# Altium PCB PCB2.PcbDoc (part 1 of 2) (continued)
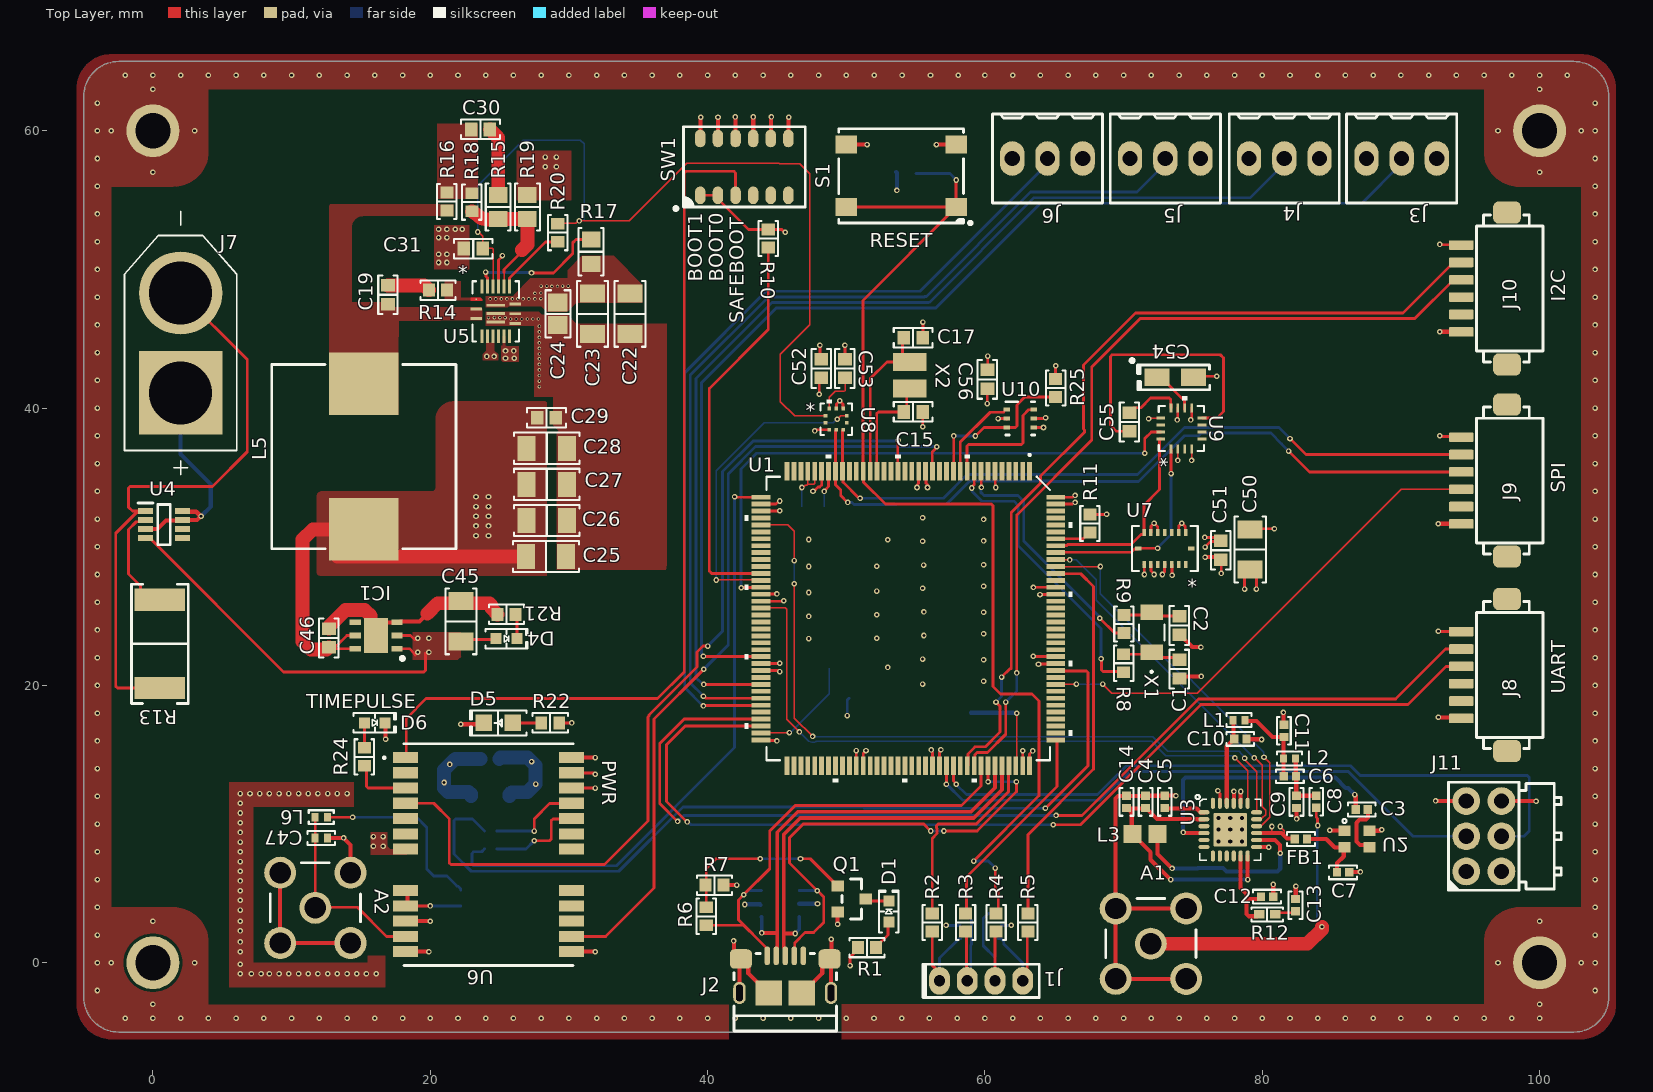
[diagram p0: Top Layer view]
## Part data (continued)
C55: library part CL05A224KP5NNNC, "CAP CER 0.22UF 10V X5R 0402", Capacitance="0.22 µF", Device Package="0402 (1005 Metric)", manufacturer="Samsung Electro-Mechanics", Operating Temperature="-55°C ~ 85°C", Supplier Part Number 1=1276-1049-1-ND, Temperature Coefficient=X5R, Tolerance=±10%, Voltage - Rated=10V, Applications="General Purpose", componentlink1description=Datasheet, componentlink1url=http://www.samsungsem.com/kr/support/product-search/mlcc/CL05A224KP5NNNC.jsp, componentlink2description="DigiKey Link", componentlink2url=https://www.digikey.com/en/products/detail/samsung-electro-mechanics/CL05A224KP5NNNC/3886707, lastupdated="28.02.2023 20:04:39", Lifecycle Status=Active, Minimum Order=1, Mounting Type="Surface Mount, MLCC", Package / Case="0402 (1005 Metric)", packaging=TapeAndReel, Part Number=CL05A224KP5NNNC, Part Status=Active, partid=3132, price=0.01, series=CL, Size / Dimension="0.039\" L x 0.020\" W (1.00mm x 0.50mm)", Supplier 1=DigiKey, Thickness (Max)="0.022\" (0.55mm)"
D1: library part HSMG-C197, "LED GREEN DIFFUSED CHIP SMD", Current - Test=20mA, Device Package="0603 (1608 Metric)", Lens Color=White, manufacturer="Broadcom Limited", Millicandela Rating=15mcd, Supplier Device Package="Chip LED", Supplier Part Number 1=516-2830-1-ND, Voltage - Forward (Vf) (Typ)=2.2V, Color=Green, componentlink1description=Datasheet, componentlink1url=https://docs.broadcom.com/docs/AV02-0551EN, componentlink2description="DigiKey Link", componentlink2url=https://www.digikey.com/en/products/detail/broadcom-limited/HSMG-C197/1235343, Configuration=Standard, Height (Max)=0.40mm, lastupdated="20.06.2022 12:31:27", Lens Size="1.60mm x 0.80mm", Lens Style="Rectangle with Flat Top", Lens Transparency=Diffused, Lifecycle Status=Active, Minimum Order=1, Mounting Type="Surface Mount", Package / Case="0603 (1608 Metric)", packaging=TapeAndReel, Part Number=HSMG-C197, Part Status=Active, partid=585, price=0.07, series=-, Size / Dimension="1.60mm L x 0.80mm W", Supplier 1=DigiKey, Viewing Angle=130°, Wavelength - Dominant=572nm, Wavelength - Peak=570nm
D2 D3: "4-line ESD protection", Manuf_1=STM, Manuf_Part_1=ESDA5V3L, Distrib=ST, ECCN_US/EU=EAR99/NEC, Order=ESDA5V3L, Ordered by=STM, Provided=ST, Ref St=9179034
D4: library part LTST-C190KGKT, "LED GREEN CLEAR CHIP SMD", Current - Test=20mA, Device Package="0603 (1608 Metric)", Lens Color=Colorless, manufacturer="Lite-On Inc.", Millicandela Rating=35mcd, Supplier Device Package="Chip LED", Supplier Part Number 1=160-1435-1-ND, Voltage - Forward (Vf) (Typ)=2V, Color=Green, componentlink1description=Datasheet, componentlink1url=http://optoelectronics.liteon.com/upload/download/DS22-2000-074/LTST-C190KGKT.PDF, componentlink2description="DigiKey Link", componentlink2url=http://digikey.com/product-detail/en/lite-on-inc/LTST-C190KGKT/160-1435-1-ND/386814, Configuration=Standard, Height (Max)=0.90mm, lastupdated="3.03.2023 20:56:01", Lens Size="1.10mm x 0.80mm", Lens Style="Rectangle with Flat Top", Lens Transparency=Clear, Lifecycle Status=Active, Minimum Order=1, Mounting Type="Surface Mount", Package / Case="0603 (1608 Metric)", packaging=TapeAndReel, Part Number=LTST-C190KGKT, Part Status=Active, partid=657, price=0.04, series=-, Size / Dimension="1.60mm L x 0.80mm W", Supplier 1=DigiKey, Viewing Angle=130°, Wavelength - Dominant=571nm, Wavelength - Peak=574nm
D5: library part LTST-C170KRKT, "LED RED CLEAR SMD", Current - Test=20mA, Device Package="0805 (2012 Metric)", Lens Color=Colorless, manufacturer="Lite-On Inc.", Millicandela Rating=54mcd, Supplier Part Number 1=160-1415-1-ND, Voltage - Forward (Vf) (Typ)=2V, Color=Red, componentlink1description=Datasheet, componentlink1url=http://optoelectronics.liteon.com/upload/download/DS-22-99-0150/LTST-C170KRKT.pdf, componentlink2description="DigiKey Link", componentlink2url=http://digikey.com/product-detail/en/lite-on-inc/LTST-C170KRKT/160-1415-1-ND/386778, Configuration=Standard, Height (Max)=1.10mm, lastupdated="7.03.2023 20:55:45", Lens Size="1.40mm x 1.25mm", Lens Style="Rectangle with Flat Top", Lens Transparency=Clear, Lifecycle Status=Active, Minimum Order=1, Mounting Type="Surface Mount", Package / Case="0805 (2012 Metric)", packaging=TapeAndReel, Part Number=LTST-C170KRKT, Part Status=Active, partid=350, price=0.06, series=-, Size / Dimension="2.00mm L x 1.25mm W", Supplier 1=DigiKey, Viewing Angle=130°, Wavelength - Dominant=631nm, Wavelength - Peak=639nm
D6: library part LTST-C190TBKT, "LED BLUE CLEAR CHIP SMD", Current - Test=20mA, Device Package="0603 (1608 Metric)", Lens Color=Colorless, manufacturer="Lite-On Inc.", Millicandela Rating=104mcd, Supplier Device Package="Chip LED", Supplier Part Number 1=160-1646-1-ND, Voltage - Forward (Vf) (Typ)=3.3V, Color=Blue, componentlink1description=Datasheet, componentlink1url=http://optoelectronics.liteon.com/upload/download/DS-22-99-0224/LTST-C190TBKT.PDF, componentlink2description="DigiKey Link", componentlink2url=http://digikey.com/product-detail/en/lite-on-inc/LTST-C190TBKT/160-1646-1-ND/573586, Configuration=Standard, Height (Max)=0.90mm, lastupdated="5.03.2023 20:55:19", Lens Size="1.10mm x 0.80mm", Lens Style="Rectangle with Flat Top", Lens Transparency=Clear, Lifecycle Status=Active, Minimum Order=1, Mounting Type="Surface Mount", Package / Case="0603 (1608 Metric)", packaging=TapeAndReel, Part Number=LTST-C190TBKT, Part Status=Active, partid=831, price=0.08, series=-, Size / Dimension="1.60mm L x 0.80mm W", Supplier 1=DigiKey, Viewing Angle=130°, Wavelength - Dominant=470nm, Wavelength - Peak=468nm
FB1: library part MMZ1005Y400CT000, "FERRITE BEAD 40 OHM 0402 1LN", Current Rating (Max)=550mA, DC Resistance (DCR) (Max)=100mOhm, Device Package="0402 (1005 Metric)", manufacturer="TDK Corporation", Operating Temperature="-55°C ~ 125°C", Supplier Part Number 1=445-2150-1-ND, componentlink1description=Datasheet, componentlink1url=https://product.tdk.com/info/en/catalog/datasheets/beads_commercial_signal_mmz1005_en.pdf?ref_disty=digikey, componentlink2description="DigiKey Link", componentlink2url=https://www.digikey.com/en/products/detail/tdk-corporation/MMZ1005Y400CT000/604108, Filter Type="Signal Line", Height (Max)="0.022\" (0.55mm)", lastupdated="25.02.2023 20:48:26", Lifecycle Status=Active, Minimum Order=1, Mounting Type="Surface Mount", Number of Lines=1, Package / Case="0402 (1005 Metric)", packaging=TapeAndReel, Part Number=MMZ1005Y400CT000, Part Status=Active, partid=480, price=0.02, series=MMZ, Size / Dimension="0.039\" L x 0.020\" W (1.00mm x 0.50mm)", Supplier 1=DigiKey, Impedance @ Frequency="40 Ohms @ 100 MHz"
FB2 FB3: library part BLM15AX102SN1D, "FERRITE BEAD 1K OHM 0402 1LN", Current Rating (Max)=350mA, DC Resistance (DCR) (Max)=490mOhm, Device Package="0402 (1005 Metric)", manufacturer="Murata Electronics", Operating Temperature="-55°C ~ 125°C", Supplier Part Number 1=490-5442-1-ND, componentlink1description=Datasheet, componentlink1url=https://www.murata.com/en-us/products/productdata/8796740059166/ENFA0018.pdf, componentlink2description="DigiKey Link", componentlink2url=https://www.digikey.com/en/products/detail/murata-electronics/BLM15AX102SN1D/2256877, Height (Max)="0.022\" (0.55mm)", lastupdated="7.03.2023 20:49:02", Lifecycle Status=Active, Minimum Order=1, Mounting Type="Surface Mount", Number of Lines=1, Package / Case="0402 (1005 Metric)", packaging=TapeAndReel, Part Number=BLM15AX102SN1D, Part Status=Active, partid=398, price=0.01, series="EMIFIL®, BLM15", Size / Dimension="0.039\" L x 0.022\" W (1.00mm x 0.55mm)", Supplier 1=DigiKey, Impedance @ Frequency="1 kOhms @ 100 MHz"
IC1: "Integrated Circuit", Manufacturer_Name=STMicroelectronics, Mouser Part Number=511-LD39200PU33R, Arrow Part Number=LD39200PU33R, Arrow Price/Stock=https://www.arrow.com/en/products/ld39200pu33r/stmicroelectronics?region=nac, Datasheet Link=https://www.st.com/resource/en/datasheet/ld39200.pdf, Height=1mm, Manufacturer_Part_Number=LD39200PU33R, Mouser Price/Stock=https://www.mouser.co.uk/ProductDetail/STMicroelectronics/LD39200PU33R?qs=WHlX%252B%252B9%2FRwAl6%2FJDqRS1uw%3D%3D
J1: "CONN HDR 4POS 0.079 GOLD PCB", Current Rating (Amps)=2A, manufacturer="Sullins Connector Solutions", Material Flammability Rating="UL94 V-0", Operating Temperature="-40°C ~ 105°C", Supplier Part Number 1=S5751-04-ND, Insulation Color=Black, componentlink1description=Datasheet, componentlink1url=https://drawings-pdf.s3.amazonaws.com/10483.pdf, componentlink2description="DigiKey Link", componentlink2url=https://www.digikey.com/en/products/detail/sullins-connector-solutions/NPPN041BFCN-RC/804806, Connector Type=Header, Contact Finish - Mating=Gold, Contact Finish - Post=Gold, Contact Finish Thickness - Mating=Flash, Contact Length - Post="0.094\" (2.40mm)", Contact Type="Female Socket", Fastening Type=Push-Pull, lastupdated="21.06.2022 14:42:51", Lifecycle Status=Active, Minimum Order=1, Mounting Type="Through Hole", Number of Positions=4, Number of Positions Loaded=All, Number of Rows=1, packaging=Tube, Part Number=NPPN041BFCN-RC, Part Status=Active, Pitch - Mating="0.079\" (2.00mm)", price=0.30, series=-, Style="Board to Board", Supplier 1=DigiKey, Termination=Solder, Insulation Height="0.173\" (4.40mm)"
J2: "CONN RCPT USB2.0 MICRO B SMD R/A", Current Rating (Amps)="1.8A per Contact", manufacturer="Amphenol ICC (FCI)", Operating Temperature="-30°C ~ 80°C", Supplier Part Number 1=609-4616-2-ND, Voltage - Rated=100VAC, componentlink1description=Datasheet, componentlink1url=https://cdn.amphenol-icc.com/media/wysiwyg/files/documentation/datasheet/inputoutput/io_usb_micro.pdf, componentlink2description="DigiKey Link", componentlink2url=//digikey.com/product-detail/en/amphenol-icc-fci/10118193-0001LF/609-4616-2-ND/2785388, Connector Type="USB - micro B", Features="Solder Retention", Gender=Receptacle, lastupdated="9.12.2019 20:51:28", Lifecycle Status=0, Mating Cycles=10000, Minimum Order=1, Mounting Feature=Horizontal, Mounting Type="Surface Mount, Right Angle; Through Hole", Number of Contacts=5, Number of Ports=1, packaging=TapeAndReel, Part Number=10118193-0001LF, Part Status=Active, price=0.21, series=-, Shielding=Shielded, Specifications="USB 2.0", Supplier 1=DigiKey, Termination=Solder
J3 J4 J5 J6: "TERM BLK 3P SIDE ENT 2.54MM PCB", Color=Green, Current=10A, manufacturer="TE Connectivity AMP Connectors", Supplier Part Number 1=A98334-ND, Voltage=150V, componentlink1description=Datasheet, componentlink1url=https://www.te.com/commerce/DocumentDelivery/DDEController?Action=srchrtrv&DocNm=282834&DocType=Customer+Drawing&DocLang=English, componentlink2description="DigiKey Link", componentlink2url=http://digikey.com/product-detail/en/te-connectivity-amp-connectors/282834-3/A98334-ND/1153264, lastupdated="15.01.2020 04:15:50", Lifecycle Status=Active, Mating Orientation="Horizontal with Board", Minimum Order=1, Mounting Type="Through Hole", Number of Levels=1, packaging=Bulk, Part Number=282834-3, Part Status=Active, Pitch="0.100\" (2.54mm)", Positions Per Level=3, price=2.01, series=Buchanan, Supplier 1=DigiKey, Wire Gauge="16-30 AWG", Wire Termination="Screw - Rising Cage Clamp"
J7: "Plug; DC supply; XT60; male; PIN: 2; for cable; soldered; 30A; 500V", PACKAGE=Package, Availability="Not in stock", Check_prices=https://www.snapeda.com/parts/XT60-M/AMASS/view-part/?ref=eda, MF=AMASS, MP=XT60-M, price=None, SnapEDA_Link=https://www.snapeda.com/parts/XT60-M/AMASS/view-part/?ref=snap
J8 J9 J10: "CONN HEADER SMD R/A 6POS 1.25MM", Current Rating (Amps)=1A, manufacturer="Hirose Electric Co Ltd", Material Flammability Rating="UL94 V-0", Operating Temperature="-35°C ~ 85°C", Supplier Part Number 1=H125991CT-ND, Voltage Rating=150V, Insulation Color=Beige, componentlink1description=Datasheet, componentlink1url=https://www.hirose.com/product/download/?distributor=digikey&type=specSheet&lang=en&num=DF13A-6P-1.25H(21), componentlink2description="DigiKey Link", componentlink2url=http://digikey.com/product-detail/en/hirose-electric-co-ltd/DF13A-6P-1.25H-21/H125991CT-ND/9489729, Connector Type=Header, Contact Finish - Mating=Tin, Contact Finish - Post=Tin, Contact Material=Brass, Contact Shape=Square, Contact Type="Male Pin", Fastening Type="Detent Lock", Features="Solder Retention", lastupdated="15.01.2020 03:36:36", Lifecycle Status=Active, Minimum Order=1, Mounting Type="Surface Mount, Right Angle", Number of Positions=6, Number of Positions Loaded=All, Number of Rows=1, packaging=TapeAndReel, Part Number=DF13A-6P-1.25H(21), Part Status=Active, partid=110, Pitch - Mating="0.049\" (1.25mm)", price=0.32, series=DF13, Shrouding="Shrouded - 4 Wall", Style="Board to Cable/Wire", Supplier 1=DigiKey, Termination=Solder, Insulation Height="0.142\" (3.60mm)", Insulation Material="Polyamide (PA), Nylon"
J11: "CONN HEADER R/A 6POS 2.54MM", Current Rating (Amps)="3A per Contact", manufacturer="Harwin Inc.", Material Flammability Rating="UL94 V-0", Operating Temperature="-40°C ~ 105°C", Supplier Part Number 1=M20-9740346-ND, Insulation Color=Black, componentlink1description=Datasheet, componentlink1url=https://cdn.harwin.com/pdfs/M20-974.pdf, componentlink2description="DigiKey Link", componentlink2url=http://digikey.com/product-detail/en/harwin-inc/M20-9740346/M20-9740346-ND/3920713, Connector Type="Header, Cuttable", Contact Finish - Mating=Tin, Contact Finish - Post=Tin, Contact Material=Brass, Contact Shape=Square, Contact Type="Male Pin", Fastening Type=Push-Pull, lastupdated="21.09.2022 19:29:59", Lifecycle Status=Active, Minimum Order=4000, Mounting Type="Through Hole, Right Angle", Number of Positions=6, Number of Positions Loaded=All, Number of Rows=2, packaging=Bulk, Part Number=M20-9740346, Part Status=Active, partid=156, price=0.10, series=M20, Shrouding=Unshrouded, Style="Board to Board or Cable", Supplier 1=DigiKey, Termination=Solder, Insulation Material="Polyamide (PA6T), Nylon 6T"
L1 L2: library part LQW15AN3N0B80D, "FIXED IND 3NH 1.35A 63 MOHM SMD", Current Rating (Amps)="1.35 A", DC Resistance (DCR)="63mOhm Max", Device Package="0402 (1005 Metric)", Frequency - Self Resonant=12.5GHz, manufacturer="Murata Electronics", Operating Temperature="-55°C ~ 125°C", Q @ Freq="20 @ 250MHz", Supplier Part Number 1=490-14712-1-ND, Tolerance=±0.1nH, Inductance Frequency - Test="100 MHz", componentlink1description=Datasheet, componentlink1url=https://search.murata.co.jp/Ceramy/image/img/P02/JELF243A-0100.pdf, componentlink2description="DigiKey Link", componentlink2url=https://www.digikey.com/en/products/detail/murata-electronics/LQW15AN3N0B80D/4905926, Height - Seated (Max)="0.024\" (0.60mm)", lastupdated="25.02.2023 21:01:34", Lifecycle Status=Active, Material - Core=Non-Magnetic, Minimum Order=1, Mounting Type="Surface Mount", Package / Case="0402 (1005 Metric)", packaging=TapeAndReel, Part Number=LQW15AN3N0B80D, Part Status=Active, partid=4894, price=0.07, series=LQW15, Shielding=Unshielded, Size / Dimension="0.039\" L x 0.024\" W (1.00mm x 0.60mm)", Supplier 1=DigiKey, Type=Wirewound, Inductance="3 nH"
L3: library part Inductor_1, "Inductor SMD", Code_JEITA=0402, Code_IEC=1005, LatestRevisionDate="05-oct-2007  -  Semtech", LatestRevisionNote="Re-released for DXP Platform.", Published=8-Jun-2000, Publisher="Altium Limited"
L4: library part Inductor_1, "Inductor", Published=8-Jun-2000, Publisher="Altium Limited", Revision="July-2002: Re-released for DXP Platform."
L5: library part 7443551200, "FIXED IND 2UH 23A 2.6 MOHM SMD", Current - Saturation=22A, Current Rating (Amps)="23 A", DC Resistance (DCR)=2.6mOhm, Device Package=Nonstandard, Frequency - Self Resonant=45MHz, manufacturer="Würth Elektronik", Operating Temperature="-40°C ~ 155°C", Ratings=AEC-Q200, Supplier Device Package=1365, Supplier Part Number 1=732-1125-1-ND, Tolerance=±20%, Inductance Frequency - Test="100 kHz", componentlink1description=Datasheet, componentlink1url=https://katalog.we-online.de/pbs/datasheet/7443551200.pdf, componentlink2description="DigiKey Link", componentlink2url=https://www.digikey.com/en/products/detail/würth-elektronik/7443551200/1638530, Height - Seated (Max)="0.256\" (6.50mm)", lastupdated="26.02.2023 21:15:50", Lifecycle Status=Active, Material - Core=Nonstandard, Minimum Order=1, Mounting Type="Surface Mount", Package / Case=Nonstandard, packaging=TapeAndReel, Part Number=7443551200, Part Status=Active, partid=5626, price=2.50, series=WE-HCI, Shielding=Shielded, Size / Dimension="0.512\" L x 0.504\" W (13.00mm x 12.80mm)", Supplier 1=DigiKey, Type=Wirewound, Inductance="2 µH"
L6: library part LQG15HS27NJ02D, "FIXED IND 27NH 350MA 460MOHM SMD", Current Rating (Amps)="350 mA", DC Resistance (DCR)="460mOhm Max", Device Package="0402 (1005 Metric)", Frequency - Self Resonant=1.7GHz, manufacturer="Murata Electronics", Operating Temperature="-55°C ~ 125°C", Q @ Freq="8 @ 100MHz", Supplier Part Number 1=490-2628-1-ND, Tolerance=±5%, Inductance Frequency - Test="100 MHz", componentlink1description=Datasheet, componentlink1url=https://search.murata.co.jp/Ceramy/image/img/P02/JELF243B-0010.pdf, componentlink2description="DigiKey Link", componentlink2url=https://www.digikey.com/en/products/detail/murata-electronics/LQG15HS27NJ02D/662877, Height - Seated (Max)="0.022\" (0.55mm)", lastupdated="7.03.2023 21:02:57", Lifecycle Status=Active, Material - Core=Air, Minimum Order=1, Mounting Type="Surface Mount", Package / Case="0402 (1005 Metric)", packaging=TapeAndReel, Part Number=LQG15HS27NJ02D, Part Status=Active, partid=1475, price=0.02, series=LQG15, Shielding=Unshielded, Size / Dimension="0.039\" L x 0.020\" W (1.00mm x 0.50mm)", Supplier 1=DigiKey, Supplier Device Package="0402 (1005 Metric)", Type=Multilayer, Inductance="27 nH"
Q1: "TRANS NPN 30V 0.05A SOT23", Current - Collector (Ic) (Max)=50mA, Current - Collector Cutoff (Max)="50nA (ICBO)", DC Current Gain (hFE) (Min) @ Ic, Vce="300 @ 100µA, 5V", Frequency - Transition=50MHz, manufacturer="ON Semiconductor", Operating Temperature="-55°C ~ 150°C (TJ)", Package / Case="TO-236-3, SC-59, SOT-23-3", Power - Max=300mW, Supplier Device Package="SOT-23-3 (TO-236)", Supplier Part Number 1=MMBT5088LT1GOSCT-ND, Voltage - Collector Emitter Breakdown (Max)=30V, componentlink1description=Datasheet, componentlink1url=http://www.onsemi.com/pub/Collateral/MMBT5088LT1-D.PDF, componentlink2description="DigiKey Link", componentlink2url=http://digikey.com/product-detail/en/on-semiconductor/MMBT5088LT1G/MMBT5088LT1GOSCT-ND/1139822, lastupdated="20.06.2022 12:43:40", Lifecycle Status=Active, Minimum Order=1, Mounting Type="Surface Mount", packaging=TapeAndReel, Part Number=MMBT5088LT1G, Part Status=Active, partid=231, price=0.03, series=-, Supplier 1=DigiKey, Transistor Type=NPN, Vce Saturation (Max) @ Ib, Ic="500mV @ 1mA, 10mA"
R1: library part RC0603FR-07330RL, "RES 330 OHM 1% 1/10W 0603", Device Package="0603 (1608 Metric)", manufacturer=Yageo, Operating Temperature="-55°C ~ 155°C", Power (Watts)="0.1W, 1/10W", Supplier Device Package=0603, Supplier Part Number 1=311-330HRCT-ND, Temperature Coefficient=±100ppm/°C, Tolerance=±1%, componentlink1description=Datasheet, componentlink1url=https://www.yageo.com/upload/media/product/productsearch/datasheet/rchip/PYu-RC_Group_51_RoHS_L_10.pdf, componentlink2description="DigiKey Link", componentlink2url=https://www.digikey.com/en/products/detail/yageo/RC0603FR-07330RL/727162, Composition="Thick Film", Features="Moisture Resistant", Height - Seated (Max)="0.022\" (0.55mm)", lastupdated="20.06.2022 12:09:48", Lifecycle Status=Active, Minimum Order=1, Number of Terminations=2, Package / Case="0603 (1608 Metric)", packaging=CutTape, Part Number=RC0603FR-07330RL, Part Status=Active, partid=23956, price=0.01, Resistance="330 Ohms", series=RC_L, Size / Dimension="0.063\" L x 0.031\" W (1.60mm x 0.80mm)", Supplier 1=DigiKey
R2 R3 R4 R5: library part RC0603FR-0722RL, "RES 22 OHM 1% 1/10W 0603", Device Package="0603 (1608 Metric)", manufacturer=Yageo, Operating Temperature="-55°C ~ 155°C", Power (Watts)="0.1W, 1/10W", Supplier Device Package=0603, Supplier Part Number 1=311-22.0HRCT-ND, Temperature Coefficient=±100ppm/°C, Tolerance=±1%, componentlink1description=Datasheet, componentlink1url=https://www.yageo.com/upload/media/product/productsearch/datasheet/rchip/PYu-RC_Group_51_RoHS_L_10.pdf, componentlink2description="DigiKey Link", componentlink2url=https://www.digikey.com/en/products/detail/yageo/RC0603FR-0722RL/727055, Composition="Thick Film", Features="Moisture Resistant", Height - Seated (Max)="0.022\" (0.55mm)", lastupdated="11.08.2022 09:13:21", Lifecycle Status=Active, Minimum Order=1, Number of Terminations=2, Package / Case="0603 (1608 Metric)", packaging=CutTape, Part Number=RC0603FR-0722RL, Part Status=Active, partid=18963, price=0.01, Resistance="22 Ohms", series=RC_L, Size / Dimension="0.063\" L x 0.031\" W (1.60mm x 0.80mm)", Supplier 1=DigiKey
R6: library part RC0603FR-0747KL, "RES 47K OHM 1% 1/10W 0603", Device Package="0603 (1608 Metric)", manufacturer=Yageo, Operating Temperature="-55°C ~ 155°C", Power (Watts)="0.1W, 1/10W", Supplier Device Package=0603, Supplier Part Number 1=311-47.0KHRCT-ND, Temperature Coefficient=±100ppm/°C, Tolerance=±1%, componentlink1description=Datasheet, componentlink1url=https://www.yageo.com/upload/media/product/productsearch/datasheet/rchip/PYu-RC_Group_51_RoHS_L_10.pdf, componentlink2description="DigiKey Link", componentlink2url=https://www.digikey.com/en/products/detail/yageo/RC0603FR-0747KL/727253, Composition="Thick Film", Features="Moisture Resistant", Height - Seated (Max)="0.022\" (0.55mm)", lastupdated="20.06.2022 12:09:54", Lifecycle Status=Active, Minimum Order=1, Number of Terminations=2, Package / Case="0603 (1608 Metric)", packaging=CutTape, Part Number=RC0603FR-0747KL, Part Status=Active, partid=22601, price=0.01, Resistance="47 kOhms", series=RC_L, Size / Dimension="0.063\" L x 0.031\" W (1.60mm x 0.80mm)", Supplier 1=DigiKey
R7: library part RC0603FR-0722KL, "RES 22K OHM 1% 1/10W 0603", Device Package="0603 (1608 Metric)", manufacturer=Yageo, Operating Temperature="-55°C ~ 155°C", Power (Watts)="0.1W, 1/10W", Supplier Device Package=0603, Supplier Part Number 1=311-22.0KHRCT-ND, Temperature Coefficient=±100ppm/°C, Tolerance=±1%, componentlink1description=Datasheet, componentlink1url=https://www.yageo.com/upload/media/product/productsearch/datasheet/rchip/PYu-RC_Group_51_RoHS_L_10.pdf, componentlink2description="DigiKey Link", componentlink2url=https://www.digikey.com/en/products/detail/yageo/RC0603FR-0722KL/727056, Composition="Thick Film", Features="Moisture Resistant", Height - Seated (Max)="0.022\" (0.55mm)", lastupdated="20.06.2022 12:10:04", Lifecycle Status=Active, Minimum Order=1, Number of Terminations=2, Package / Case="0603 (1608 Metric)", packaging=CutTape, Part Number=RC0603FR-0722KL, Part Status=Active, partid=18937, price=0.01, Resistance="22 kOhms", series=RC_L, Size / Dimension="0.063\" L x 0.031\" W (1.60mm x 0.80mm)", Supplier 1=DigiKey
R8 R9: library part RC0603JR-070RL, "RES 0 OHM JUMPER 1/10W 0603", Device Package="0603 (1608 Metric)", manufacturer=Yageo, Operating Temperature="-55°C ~ 155°C", Power (Watts)="0.1W, 1/10W", Supplier Device Package=0603, Supplier Part Number 1=311-0.0GRCT-ND, Tolerance=Jumper, componentlink1description=Datasheet, componentlink1url=https://www.yageo.com/upload/media/product/productsearch/datasheet/rchip/PYu-RC_Group_51_RoHS_L_10.pdf, componentlink2description="DigiKey Link", componentlink2url=https://www.digikey.com/en/products/detail/yageo/RC0603JR-070RL/726675, Composition="Thick Film", Features="Moisture Resistant", Height - Seated (Max)="0.022\" (0.55mm)", lastupdated="20.02.2023 20:28:09", Lifecycle Status=Active, Minimum Order=1, Number of Terminations=2, Package / Case="0603 (1608 Metric)", packaging=CutTape, Part Number=RC0603JR-070RL, Part Status=Active, partid=22595, price=0.01, Resistance="0 Ohms", series=RC_L, Size / Dimension="0.063\" L x 0.031\" W (1.60mm x 0.80mm)", Supplier 1=DigiKey
R10 R20: library part RC0603FR-07100KL, "RES 100K OHM 1% 1/10W 0603", Device Package="0603 (1608 Metric)", manufacturer=Yageo, Operating Temperature="-55°C ~ 155°C", Power (Watts)="0.1W, 1/10W", Supplier Device Package=0603, Supplier Part Number 1=311-100KHRCT-ND, Temperature Coefficient=±100ppm/°C, Tolerance=±1%, componentlink1description=Datasheet, componentlink1url=https://www.yageo.com/upload/media/product/productsearch/datasheet/rchip/PYu-RC_Group_51_RoHS_L_10.pdf, componentlink2description="DigiKey Link", componentlink2url=https://www.digikey.com/en/products/detail/yageo/RC0603FR-07100KL/726889, Composition="Thick Film", Features="Moisture Resistant", Height - Seated (Max)="0.022\" (0.55mm)", Lifecycle Status=Active, Minimum Order=1, Number of Terminations=2, Package / Case="0603 (1608 Metric)", packaging=CutTape, Part Number=RC0603FR-07100KL, Part Status=Active, partid=23948, price=0.01, Resistance="100 kOhms", series=RC_L, Size / Dimension="0.063\" L x 0.031\" W (1.60mm x 0.80mm)", Supplier 1=DigiKey
  R10: lastupdated="8.03.2023 20:28:53"
  R20: lastupdated="3.03.2023 20:28:31"
R11: library part RC0603FR-0710KL, "RES 10K OHM 1% 1/10W 0603", Device Package="0603 (1608 Metric)", manufacturer=Yageo, Operating Temperature="-55°C ~ 155°C", Power (Watts)="0.1W, 1/10W", Supplier Device Package=0603, Supplier Part Number 1=311-10.0KHRCT-ND, Temperature Coefficient=±100ppm/°C, Tolerance=±1%, componentlink1description=Datasheet, componentlink1url=https://www.yageo.com/upload/media/product/productsearch/datasheet/rchip/PYu-RC_Group_51_RoHS_L_10.pdf, componentlink2description="DigiKey Link", componentlink2url=https://www.digikey.com/en/products/detail/yageo/RC0603FR-0710KL/726880, Composition="Thick Film", Features="Moisture Resistant", Height - Seated (Max)="0.022\" (0.55mm)", lastupdated="8.03.2023 20:29:05", Lifecycle Status=Active, Minimum Order=1, Number of Terminations=2, Package / Case="0603 (1608 Metric)", packaging=CutTape, Part Number=RC0603FR-0710KL, Part Status=Active, partid=22599, price=0.01, Resistance="10 kOhms", series=RC_L, Size / Dimension="0.063\" L x 0.031\" W (1.60mm x 0.80mm)", Supplier 1=DigiKey
R12: library part CRCW04020000Z0ED, "RES SMD 0 OHM JUMPER 1/16W 0402", Device Package="0402 (1005 Metric)", manufacturer="Vishay Dale", Operating Temperature="-55°C ~ 155°C", Power (Watts)="0.063W, 1/16W", Ratings=AEC-Q200, Supplier Device Package=0402, Supplier Part Number 1=541-0.0JCT-ND, Tolerance=Jumper, componentlink1description=Datasheet, componentlink1url=http://www.vishay.com/docs/20035/dcrcwe3.pdf, componentlink2description="DigiKey Link", componentlink2url=http://digikey.com/product-detail/en/vishay-dale/CRCW04020000Z0ED/541-0.0JCT-ND/1182611, Composition="Thick Film", Features="Automotive AEC-Q200", Height - Seated (Max)="0.016\" (0.40mm)", lastupdated="14.02.2022 15:03:58", Lifecycle Status=Active, Minimum Order=1, Number of Terminations=2, Package / Case="0402 (1005 Metric)", packaging=CutTape, Part Number=CRCW04020000Z0ED, Part Status=Active, partid=17634, price=0.10, series=CRCW, Size / Dimension="0.039\" L x 0.020\" W (1.00mm x 0.50mm)", Supplier 1=DigiKey
R13: library part Y14870R01000D5W, "RES 0.01 OHM 0.5% 1W 2512", Device Package="2512 (6432 Metric)", manufacturer="Vishay Foil Resistors (Division of Vishay Precision Group)", Operating Temperature="-65°C ~ 170°C", Power (Watts)=1W, Supplier Device Package=2512, Supplier Part Number 1=804-1135-ND, Temperature Coefficient=±15ppm/°C, Tolerance=±0.5%, componentlink1description=Datasheet, componentlink1url=http://www.vishaypg.com/docs/63089/csm.pdf, componentlink2description="DigiKey Link", componentlink2url=http://digikey.com/product-detail/en/vishay-foil-resistors-division-of-vishay-precision-group/Y14870R01000D5W/804-1135-ND/6028839, Composition="Metal Foil", Features="Current Sense, Moisture Resistant", Height - Seated (Max)="0.035\" (0.89mm)", lastupdated="2.09.2020 01:26:50", Lifecycle Status=Active, Minimum Order=1, Number of Terminations=4, Package / Case="2512 (6432 Metric)", packaging=Tray, Part Number=Y14870R01000D5W, Part Status=Active, price=29.11, Resistance="10 mOhms", series=CSM, Size / Dimension="0.250\" L x 0.125\" W (6.35mm x 3.18mm)", Supplier 1=DigiKey
R14: library part ERJ-3GEYJ4R7V, "RES SMD 4.7 OHM 5% 1/10W 0603", Device Package="0603 (1608 Metric)", manufacturer="Panasonic Electronic Components", Operating Temperature="-55°C ~ 155°C", Power (Watts)="0.1W, 1/10W", Ratings=AEC-Q200, Supplier Device Package=0603, Supplier Part Number 1=P4.7GCT-ND, Temperature Coefficient="-100/ +600ppm/°C", Tolerance=±5%, componentlink1description=Datasheet, componentlink1url=http://industrial.panasonic.com/www-cgi/jvcr13pz.cgi?E+PZ+3+AOA0001+ERJ3GEYJ4R7V+7+WW, componentlink2description="DigiKey Link", componentlink2url=https://www.digikey.com/en/products/detail/panasonic-electronic-components/ERJ-3GEYJ4R7V/282127, Composition="Thick Film", Features="Automotive AEC-Q200", Height - Seated (Max)="0.022\" (0.55mm)", lastupdated="1.03.2023 20:28:11", Lifecycle Status=Active, Minimum Order=1, Number of Terminations=2, Package / Case="0603 (1608 Metric)", packaging=TapeAndReel, Part Number=ERJ-3GEYJ4R7V, Part Status=Active, partid=12953, price=0.01, Resistance="4.7 Ohms", series=ERJ-3G, Size / Dimension="0.063\" L x 0.031\" W (1.60mm x 0.80mm)", Supplier 1=DigiKey
R15: library part RC0603FR-07150KL, "RES 150K OHM 1% 1/10W 0603", Device Package="0603 (1608 Metric)", manufacturer=Yageo, Operating Temperature="-55°C ~ 155°C", Power (Watts)="0.1W, 1/10W", Resistance="150 kOhms", Supplier Device Package=0603, Supplier Part Number 1=311-150KHRCT-ND, Temperature Coefficient=±100ppm/°C, Tolerance=±1%, componentlink1description=Datasheet, componentlink1url=https://www.yageo.com/upload/media/product/productsearch/datasheet/rchip/PYu-RC_Group_51_RoHS_L_10.pdf, componentlink2description="DigiKey Link", componentlink2url=https://www.digikey.com/en/products/detail/yageo/RC0603FR-07150KL/726959, Composition="Thick Film", Features="Moisture Resistant", Height - Seated (Max)="0.022\" (0.55mm)", lastupdated="1.03.2023 20:27:44", Lifecycle Status=Active, Minimum Order=1, Number of Terminations=2, Package / Case="0603 (1608 Metric)", packaging=CutTape, Part Number=RC0603FR-07150KL, Part Status=Active, partid=18953, price=0.01, series=RC_L, Size / Dimension="0.063\" L x 0.031\" W (1.60mm x 0.80mm)", Supplier 1=DigiKey
R16: library part RT0603BRD071ML, "RES SMD 1M OHM 0.1% 1/10W 0603", Device Package="0603 (1608 Metric)", manufacturer=Yageo, Operating Temperature="-55°C ~ 155°C", Power (Watts)="0.1W, 1/10W", Supplier Device Package=0603, Supplier Part Number 1=YAG4498CT-ND, Temperature Coefficient=±25ppm/°C, Tolerance=±0.1%, componentlink1description=Datasheet, componentlink1url=https://www.yageo.com/upload/media/product/productsearch/datasheet/rchip/PYu-RT_1-to-0.01_RoHS_L_11.pdf, componentlink2description="DigiKey Link", componentlink2url=https://www.digikey.com/en/products/detail/yageo/RT0603BRD071ML/5927906, Composition="Thin Film", Height - Seated (Max)="0.022\" (0.55mm)", lastupdated="26.02.2023 20:29:08", Lifecycle Status=Active, Minimum Order=1, Number of Terminations=2, Package / Case="0603 (1608 Metric)", packaging=TapeAndReel, Part Number=RT0603BRD071ML, Part Status=Active, partid=5503, price=0.03, Resistance="1 MOhms", series=RT, Size / Dimension="0.063\" L x 0.031\" W (1.60mm x 0.80mm)", Supplier 1=DigiKey
R17: library part RC0603FR-07499KL, "RES 499K OHM 1% 1/10W 0603", Device Package="0603 (1608 Metric)", manufacturer=Yageo, Operating Temperature="-55°C ~ 155°C", Power (Watts)="0.1W, 1/10W", Resistance="499 kOhms", Supplier Device Package=0603, Supplier Part Number 1=311-499KHRCT-ND, Temperature Coefficient=±100ppm/°C, Tolerance=±1%, componentlink1description=Datasheet, componentlink1url=https://www.yageo.com/upload/media/product/productsearch/datasheet/rchip/PYu-RC_Group_51_RoHS_L_10.pdf, componentlink2description="DigiKey Link", componentlink2url=https://www.digikey.com/en/products/detail/yageo/RC0603FR-07499KL/727267, Composition="Thick Film", Features="Moisture Resistant", Height - Seated (Max)="0.022\" (0.55mm)", lastupdated="1.03.2023 20:27:44", Lifecycle Status=Active, Minimum Order=1, Number of Terminations=2, Package / Case="0603 (1608 Metric)", packaging=CutTape, Part Number=RC0603FR-07499KL, Part Status=Active, partid=19063, price=0.01, series=RC_L, Size / Dimension="0.063\" L x 0.031\" W (1.60mm x 0.80mm)", Supplier 1=DigiKey
R18: library part RC0603FR-07499RL, "RES 499 OHM 1% 1/10W 0603", Device Package="0603 (1608 Metric)", manufacturer=Yageo, Operating Temperature="-55°C ~ 155°C", Power (Watts)="0.1W, 1/10W", Supplier Device Package=0603, Supplier Part Number 1=311-499HRCT-ND, Temperature Coefficient=±100ppm/°C, Tolerance=±1%, componentlink1description=Datasheet, componentlink1url=https://www.yageo.com/upload/media/product/productsearch/datasheet/rchip/PYu-RC_Group_51_RoHS_L_10.pdf, componentlink2description="DigiKey Link", componentlink2url=https://www.digikey.com/en/products/detail/yageo/RC0603FR-07499RL/727266, Composition="Thick Film", Features="Moisture Resistant", Height - Seated (Max)="0.022\" (0.55mm)", lastupdated="3.03.2023 20:28:56", Lifecycle Status=Active, Minimum Order=1, Number of Terminations=2, Package / Case="0603 (1608 Metric)", packaging=CutTape, Part Number=RC0603FR-07499RL, Part Status=Active, partid=18973, price=0.01, Resistance="499 Ohms", series=RC_L, Size / Dimension="0.063\" L x 0.031\" W (1.60mm x 0.80mm)", Supplier 1=DigiKey
R19: library part RC0603FR-0718K2L, "RES 18.2K OHM 1% 1/10W 0603", Device Package="0603 (1608 Metric)", manufacturer=Yageo, Operating Temperature="-55°C ~ 155°C", Power (Watts)="0.1W, 1/10W", Resistance="18.2 kOhms", Supplier Device Package=0603, Supplier Part Number 1=311-18.2KHRCT-ND, Temperature Coefficient=±100ppm/°C, Tolerance=±1%, componentlink1description=Datasheet, componentlink1url=https://www.yageo.com/upload/media/product/productsearch/datasheet/rchip/PYu-RC_Group_51_RoHS_L_10.pdf, componentlink2description="DigiKey Link", componentlink2url=https://www.digikey.com/en/products/detail/yageo/RC0603FR-0718K2L/726991, Composition="Thick Film", Features="Moisture Resistant", Height - Seated (Max)="0.022\" (0.55mm)", lastupdated="1.03.2023 20:28:12", Lifecycle Status=Active, Minimum Order=1, Number of Terminations=2, Package / Case="0603 (1608 Metric)", packaging=CutTape, Part Number=RC0603FR-0718K2L, Part Status=Active, partid=12504, price=0.01, series=RC_L, Size / Dimension="0.063\" L x 0.031\" W (1.60mm x 0.80mm)", Supplier 1=DigiKey
R21: library part RC0603FR-07240RL, "RES 240 OHM 1% 1/10W 0603", Device Package="0603 (1608 Metric)", manufacturer=Yageo, Operating Temperature="-55°C ~ 155°C", Power (Watts)="0.1W, 1/10W", Resistance="240 Ohms", Supplier Device Package=0603, Supplier Part Number 1=311-240HRCT-ND, Temperature Coefficient=±100ppm/°C, Tolerance=±1%, componentlink1description=Datasheet, componentlink1url=https://www.yageo.com/upload/media/product/productsearch/datasheet/rchip/PYu-RC_Group_51_RoHS_L_10.pdf, componentlink2description="DigiKey Link", componentlink2url=https://www.digikey.com/en/products/detail/yageo/RC0603FR-07240RL/727081, Composition="Thick Film", Features="Moisture Resistant", Height - Seated (Max)="0.022\" (0.55mm)", lastupdated="3.03.2023 20:28:56", Lifecycle Status=Active, Minimum Order=1, Number of Terminations=2, Package / Case="0603 (1608 Metric)", packaging=CutTape, Part Number=RC0603FR-07240RL, Part Status=Active, partid=19025, price=0.01, series=RC_L, Size / Dimension="0.063\" L x 0.031\" W (1.60mm x 0.80mm)", Supplier 1=DigiKey
R22: library part RC0603FR-071KL, "RES SMD 1K OHM 1% 1/10W 0603", Device Package="0603 (1608 Metric)", manufacturer=Yageo, Operating Temperature="-55°C ~ 155°C", Power (Watts)="0.1W, 1/10W", Supplier Device Package=0603, Supplier Part Number 1=311-1.00KHRCT-ND, Temperature Coefficient=±100ppm/°C, Tolerance=±1%, componentlink1description=Datasheet, componentlink1url=https://www.yageo.com/upload/media/product/productsearch/datasheet/rchip/PYu-RC_Group_51_RoHS_L_10.pdf, componentlink2description="DigiKey Link", componentlink2url=http://digikey.com/product-detail/en/yageo/RC0603FR-071KL/311-1.00KHRCT-ND/729790, Composition="Thick Film", Features="Moisture Resistant", Height - Seated (Max)="0.022\" (0.55mm)", lastupdated="2.09.2020 01:09:45", Lifecycle Status=Active, Minimum Order=1, Number of Terminations=2, Package / Case="0603 (1608 Metric)", packaging=CutTape, Part Number=RC0603FR-071KL, Part Status=Active, partid=22600, price=0.10, Resistance="1 kOhms", series=RC, Size / Dimension="0.063\" L x 0.031\" W (1.60mm x 0.80mm)", Supplier 1=DigiKey
R23: library part ERA-2AKD100X, "RES SMD 10 OHM 0.5% 1/16W 0402", Device Package="0402 (1005 Metric)", manufacturer="Panasonic Electronic Components", Operating Temperature="-55°C ~ 155°C", Power (Watts)="0.063W, 1/16W", Ratings=AEC-Q200, Supplier Device Package=0402, Supplier Part Number 1=P10DDCT-ND, Temperature Coefficient=±100ppm/°C, Tolerance=±0.5%, componentlink1description=Datasheet, componentlink1url=https://industrial.panasonic.com/cdbs/www-data/pdf/RDM0000/AOA0000C307.pdf, componentlink2description="DigiKey Link", componentlink2url=http://digikey.com/product-detail/en/panasonic-electronic-components/ERA-2AKD100X/P10DDCT-ND/1706232, Composition="Thin Film", Features="Automotive AEC-Q200", Height - Seated (Max)="0.016\" (0.40mm)", lastupdated="2.09.2020 01:08:09", Lifecycle Status=Active, Minimum Order=1, Number of Terminations=2, Package / Case="0402 (1005 Metric)", packaging=TapeAndReel, Part Number=ERA-2AKD100X, Part Status=Active, partid=3168, price=0.01, Resistance="10 Ohms", series=ERA-2A, Size / Dimension="0.039\" L x 0.020\" W (1.00mm x 0.50mm)", Supplier 1=DigiKey
R24: library part RK73G1JTTD1000F, "RES 100 OHM 1% 1/10W 0603", Device Package="0603 (1608 Metric)", manufacturer="KOA Speer Electronics, Inc.", Operating Temperature="-55°C ~ 155°C", Power (Watts)="0.1W, 1/10W", Ratings=AEC-Q200, Supplier Device Package=0603, Supplier Part Number 1=2019-RK73G1JTTD1000FCT-ND, Temperature Coefficient=±50ppm/°C, Tolerance=±1%, componentlink1description=Datasheet, componentlink1url=https://www.koaspeer.com/pdfs/RK73G.pdf, componentlink2description="DigiKey Link", componentlink2url=https://www.digikey.com/en/products/detail/koa-speer-electronics-inc/RK73G1JTTD1000F/9854468, Composition="Thick Film", Features="Automotive AEC-Q200", Height - Seated (Max)="0.022\" (0.55mm)", lastupdated="5.03.2023 20:27:16", Lifecycle Status=Active, Minimum Order=1, Number of Terminations=2, Package / Case="0603 (1608 Metric)", packaging=TapeAndReel, Part Number=RK73G1JTTD1000F, Part Status=Active, partid=65534, price=0.03, Resistance="100 Ohms", series=RK73G, Size / Dimension="0.063\" L x 0.031\" W (1.60mm x 0.80mm)", Supplier 1=DigiKey
R25: library part RT0603BRE075KL, "RES 5K OHM 0.1% 1/10W 0603", Device Package="0603 (1608 Metric)", manufacturer=Yageo, Operating Temperature="-55°C ~ 155°C", Power (Watts)="0.1W, 1/10W", Supplier Device Package=0603, Supplier Part Number 1=13-RT0603BRE075KLCT-ND, Temperature Coefficient=±50ppm/°C, Tolerance=±0.1%, componentlink1description=Datasheet, componentlink1url=https://www.yageo.com/upload/media/product/productsearch/datasheet/rchip/PYu-RT_1-to-0.01_RoHS_L_12.pdf, componentlink2description="DigiKey Link", componentlink2url=https://www.digikey.com/en/products/detail/yageo/RT0603BRE075KL/7708365, Composition="Thin Film", Height - Seated (Max)="0.022\" (0.55mm)", lastupdated="21.08.2022 20:20:42", Lifecycle Status=Active, Minimum Order=1, Number of Terminations=2, Package / Case="0603 (1608 Metric)", packaging=TapeAndReel, Part Number=RT0603BRE075KL, Part Status=Active, partid=67915, price=0.05, Resistance="5 kOhms", series=RT, Size / Dimension="0.063\" L x 0.031\" W (1.60mm x 0.80mm)", Supplier 1=DigiKey
S1: "SWITCH TACTILE SPST-NO 0.05A 24V", Contact Rating @ Voltage="0.05A @ 24VDC", manufacturer="Omron Electronics Inc-EMC Div", Operating Force=160gf, Operating Temperature="-25°C ~ 70°C", Supplier Part Number 1=SW836CT-ND, Actuator Height off PCB, Vertical=4.30mm, Actuator Orientation="Top Actuated", Actuator Type=Standard, Circuit=SPST-NO, componentlink1description=Datasheet, componentlink1url=https://omronfs.omron.com/en_US/ecb/products/pdf/en-b3s.pdf, componentlink2description="DigiKey Link", componentlink2url=http://digikey.com/product-detail/en/omron-electronics-inc-emc-div/B3S-1000P/SW836CT-ND/700012, Features="Sealed - Fully", lastupdated="9.04.2020 09:57:13", Lifecycle Status=Active, Minimum Order=1, Mounting Type="Surface Mount", Outline="6.60mm x 6.00mm", packaging=TapeAndReel, Part Number=B3S-1000P, Part Status=Active, price=0.39, series=B3S, Supplier 1=DigiKey, Switch Function=Off-Mom, Termination Style="Gull Wing", Illumination=Non-Illuminated, Ingress Protection="IP67 - Dust Tight, Waterproof"
SW1: "SWITCH SLIDE DIP SPST 25MA 24V", Current Rating (Amps)=25mA, manufacturer="CTS Electrocomponents", Operating Temperature="-55°C ~ 85°C", Supplier Part Number 1=CT2186LPST-ND, Voltage Rating=24VDC, Actuator Level="Flush, Recessed", Actuator Type="Slide (Standard)", Circuit=SPST, componentlink1description=Datasheet, componentlink1url=https://www.ctscorp.com/wp-content/uploads/218.pdf, componentlink2description="DigiKey Link", componentlink2url=http://digikey.com/product-detail/en/cts-electrocomponents/218-6LPST/CT2186LPST-ND/267321, Contact Finish=Gold, Contact Material="Beryllium Copper", Features="Epoxy Sealed Terminals, Tape Seal", Height Above Board="0.104\" (2.65mm)", lastupdated="4.01.2020 18:55:14", Lifecycle Status=Active, Minimum Order=1, Mounting Type="Surface Mount", Number of Positions=6, packaging=Tube, Part Number=218-6LPST, Part Status=Active, partid=12, Pitch="0.050\" (1.27mm), Half", price=1.32, series=218, Supplier 1=DigiKey, Termination Style="Gull Wing", Washable=Yes
U3: "SX1280 - Ultra low power RF transceiver"
U4: "Integrated Circuit", Manufacturer_Name="Texas Instruments", Mouser Part Number=595-INA219AIDCNR, Arrow Part Number=INA219AIDCNR, Arrow Price/Stock=https://www.arrow.com/en/products/ina219aidcnr/texas-instruments, Datasheet Link=https://componentsearchengine.com/Datasheets/2/INA219AIDCNR.pdf, Height=1.45mm, Manufacturer_Part_Number=INA219AIDCNR, Mouser Price/Stock=https://www.mouser.co.uk/ProductDetail/Texas-Instruments/INA219AIDCNR?qs=NNt36bEIu0tiHc879dL2eg%3D%3D
U5: "No Description Available", Mfr_Name="Monolithic Power Systems", Copyright="Copyright (C) 2023 Ultra Librarian. All rights reserved.", Manufacturer_Part_Number=MP8758GL-Z, RefDes=RefDes, Type=DEV
U6: library part NEO-M8P-2, "Integrated Circuit", Manufacturer_Name=U-Blox, Mouser Part Number=377-NEO-M8P-2, Datasheet Link=https://datasheet.datasheetarchive.com/originals/distributors/DKDS-37/730172.pdf, Manufacturer_Part_Number=NEO-M8P-2, Mouser Price/Stock=https://www.mouser.co.uk/ProductDetail/u-blox/NEO-M8P-2?qs=zW32dvEIR3um1owIgR0I3w%3D%3D
U8: "No Description Available", Mfr_Name="Bosch Sensortec", Copyright="Copyright (C) 2022 Ultra Librarian. All rights reserved.", Manufacturer_Part_Number=BMP390L, RefDes=RefDes, Type=DEV
U9: "No Description Available", Mfr_Name=Honeywell, Copyright="Copyright (C) 2022 Ultra Librarian. All rights reserved.", Manufacturer_Part_Number=HMC5883L, RefDes=RefDes, Type=DEV
U10: "No Description Available", Mfr_Name="Texas Instruments", Copyright="Copyright (C) 2022 Ultra Librarian. All rights reserved.", Manufacturer_Part_Number=TMP117AIDRVR, RefDes=RefDes, Type=DEV
X1: library part CRYSTAL_32K, "Crystal"
X2: library part XTAL, "Crystal Oscillator", LatestRevisionDate=17-Jul-2002, LatestRevisionNote="Re-released for DXP Platform.", PackageReference=R38, Published=8-Jun-2000, Publisher="Altium Limited"

## Free pads (board coordinates)
  round 3.81 hole 2.54: 1(0,60) 2(0,0) 3(100,0) 4(100,60)

## Via types
v1: diameter 0.4, hole 0.2, Top Layer to Bottom Layer, tented both sides, 488 vias
v2: diameter 0.25, hole 0.15, Top Layer to Bottom Layer, tented both sides, 40 vias
v3: diameter 0.6, hole 0.3, Top Layer to Bottom Layer, tented both sides, 9 vias
v4: diameter 0.4, hole 0.2, Top Layer to Int2 (PWR), tented both sides, 6 vias
v5: diameter 0.4, hole 0.2, Int2 (PWR) to Bottom Layer, tented both sides, 6 vias